# Altium PCB PCB3.PcbDoc (part 1 of 2)
Units mm, origin at the board's own origin, x right, y up, seen from the top; angles counter-clockwise.
Board outline 64.1 x 43.89 mm, 2 copper layers (Top Layer, Bottom Layer); 156 components, 17 nets, 540 pads, 360 vias.
Unrouted connection lines stored in the file: 91.
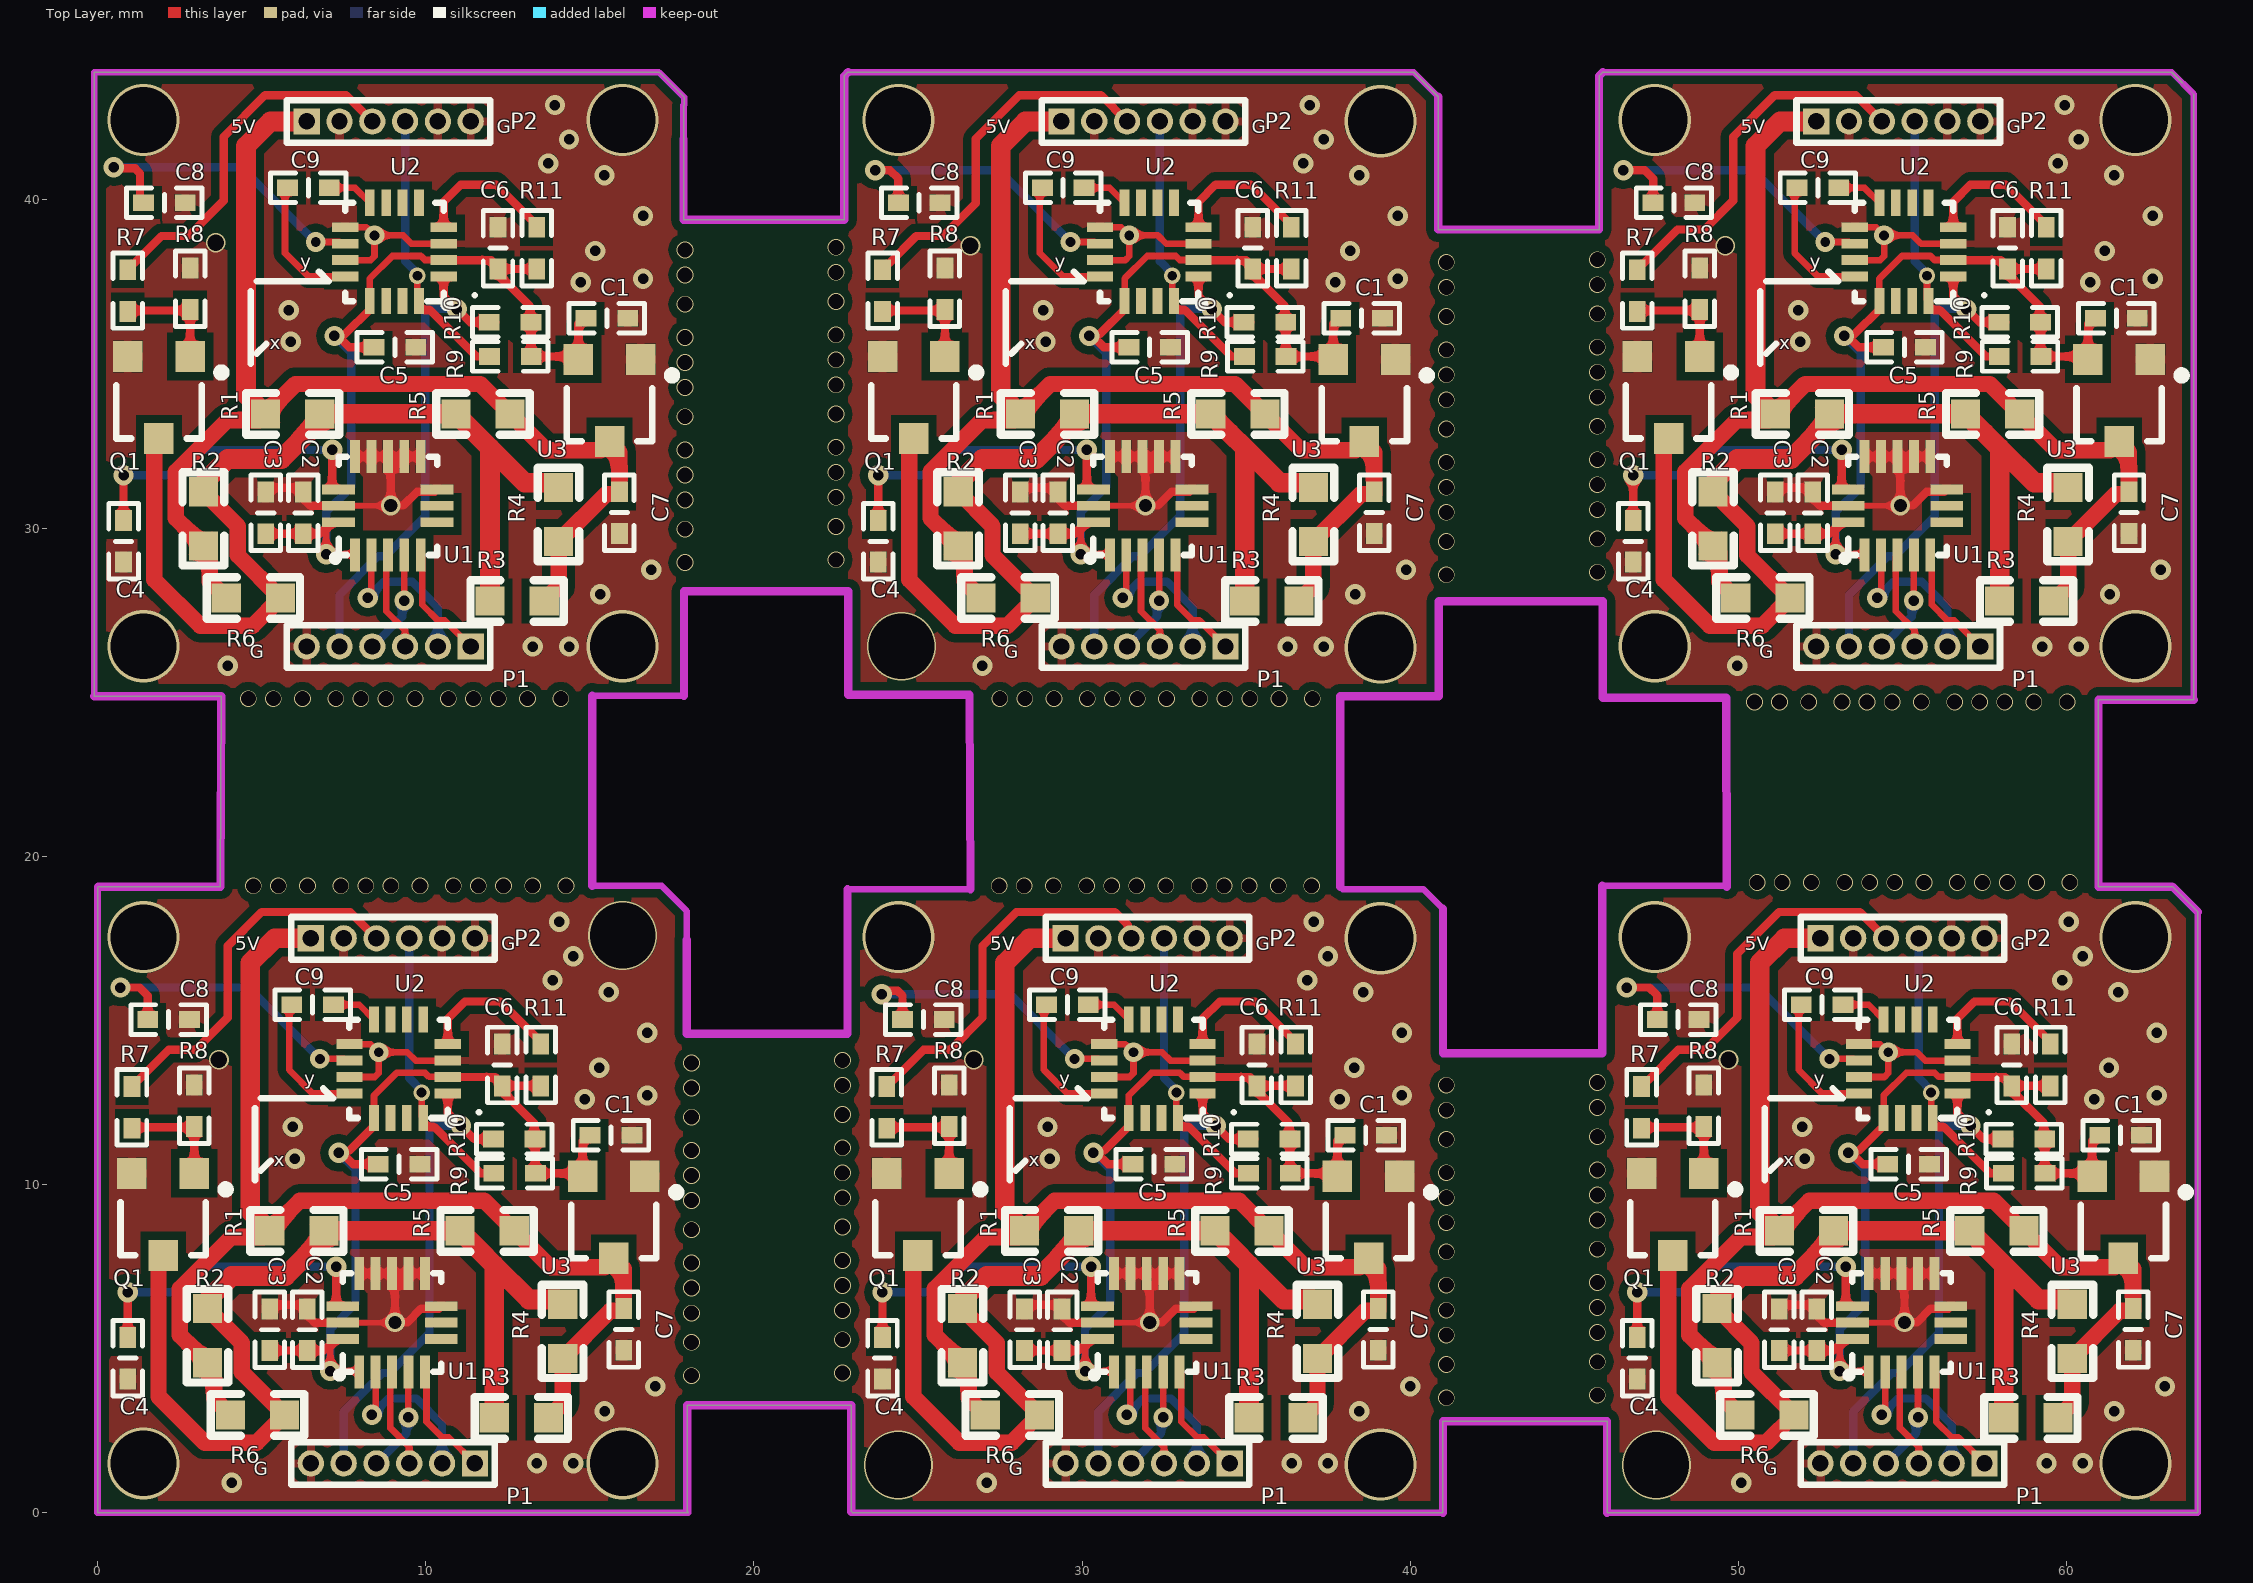
[diagram p0: Top Layer view]
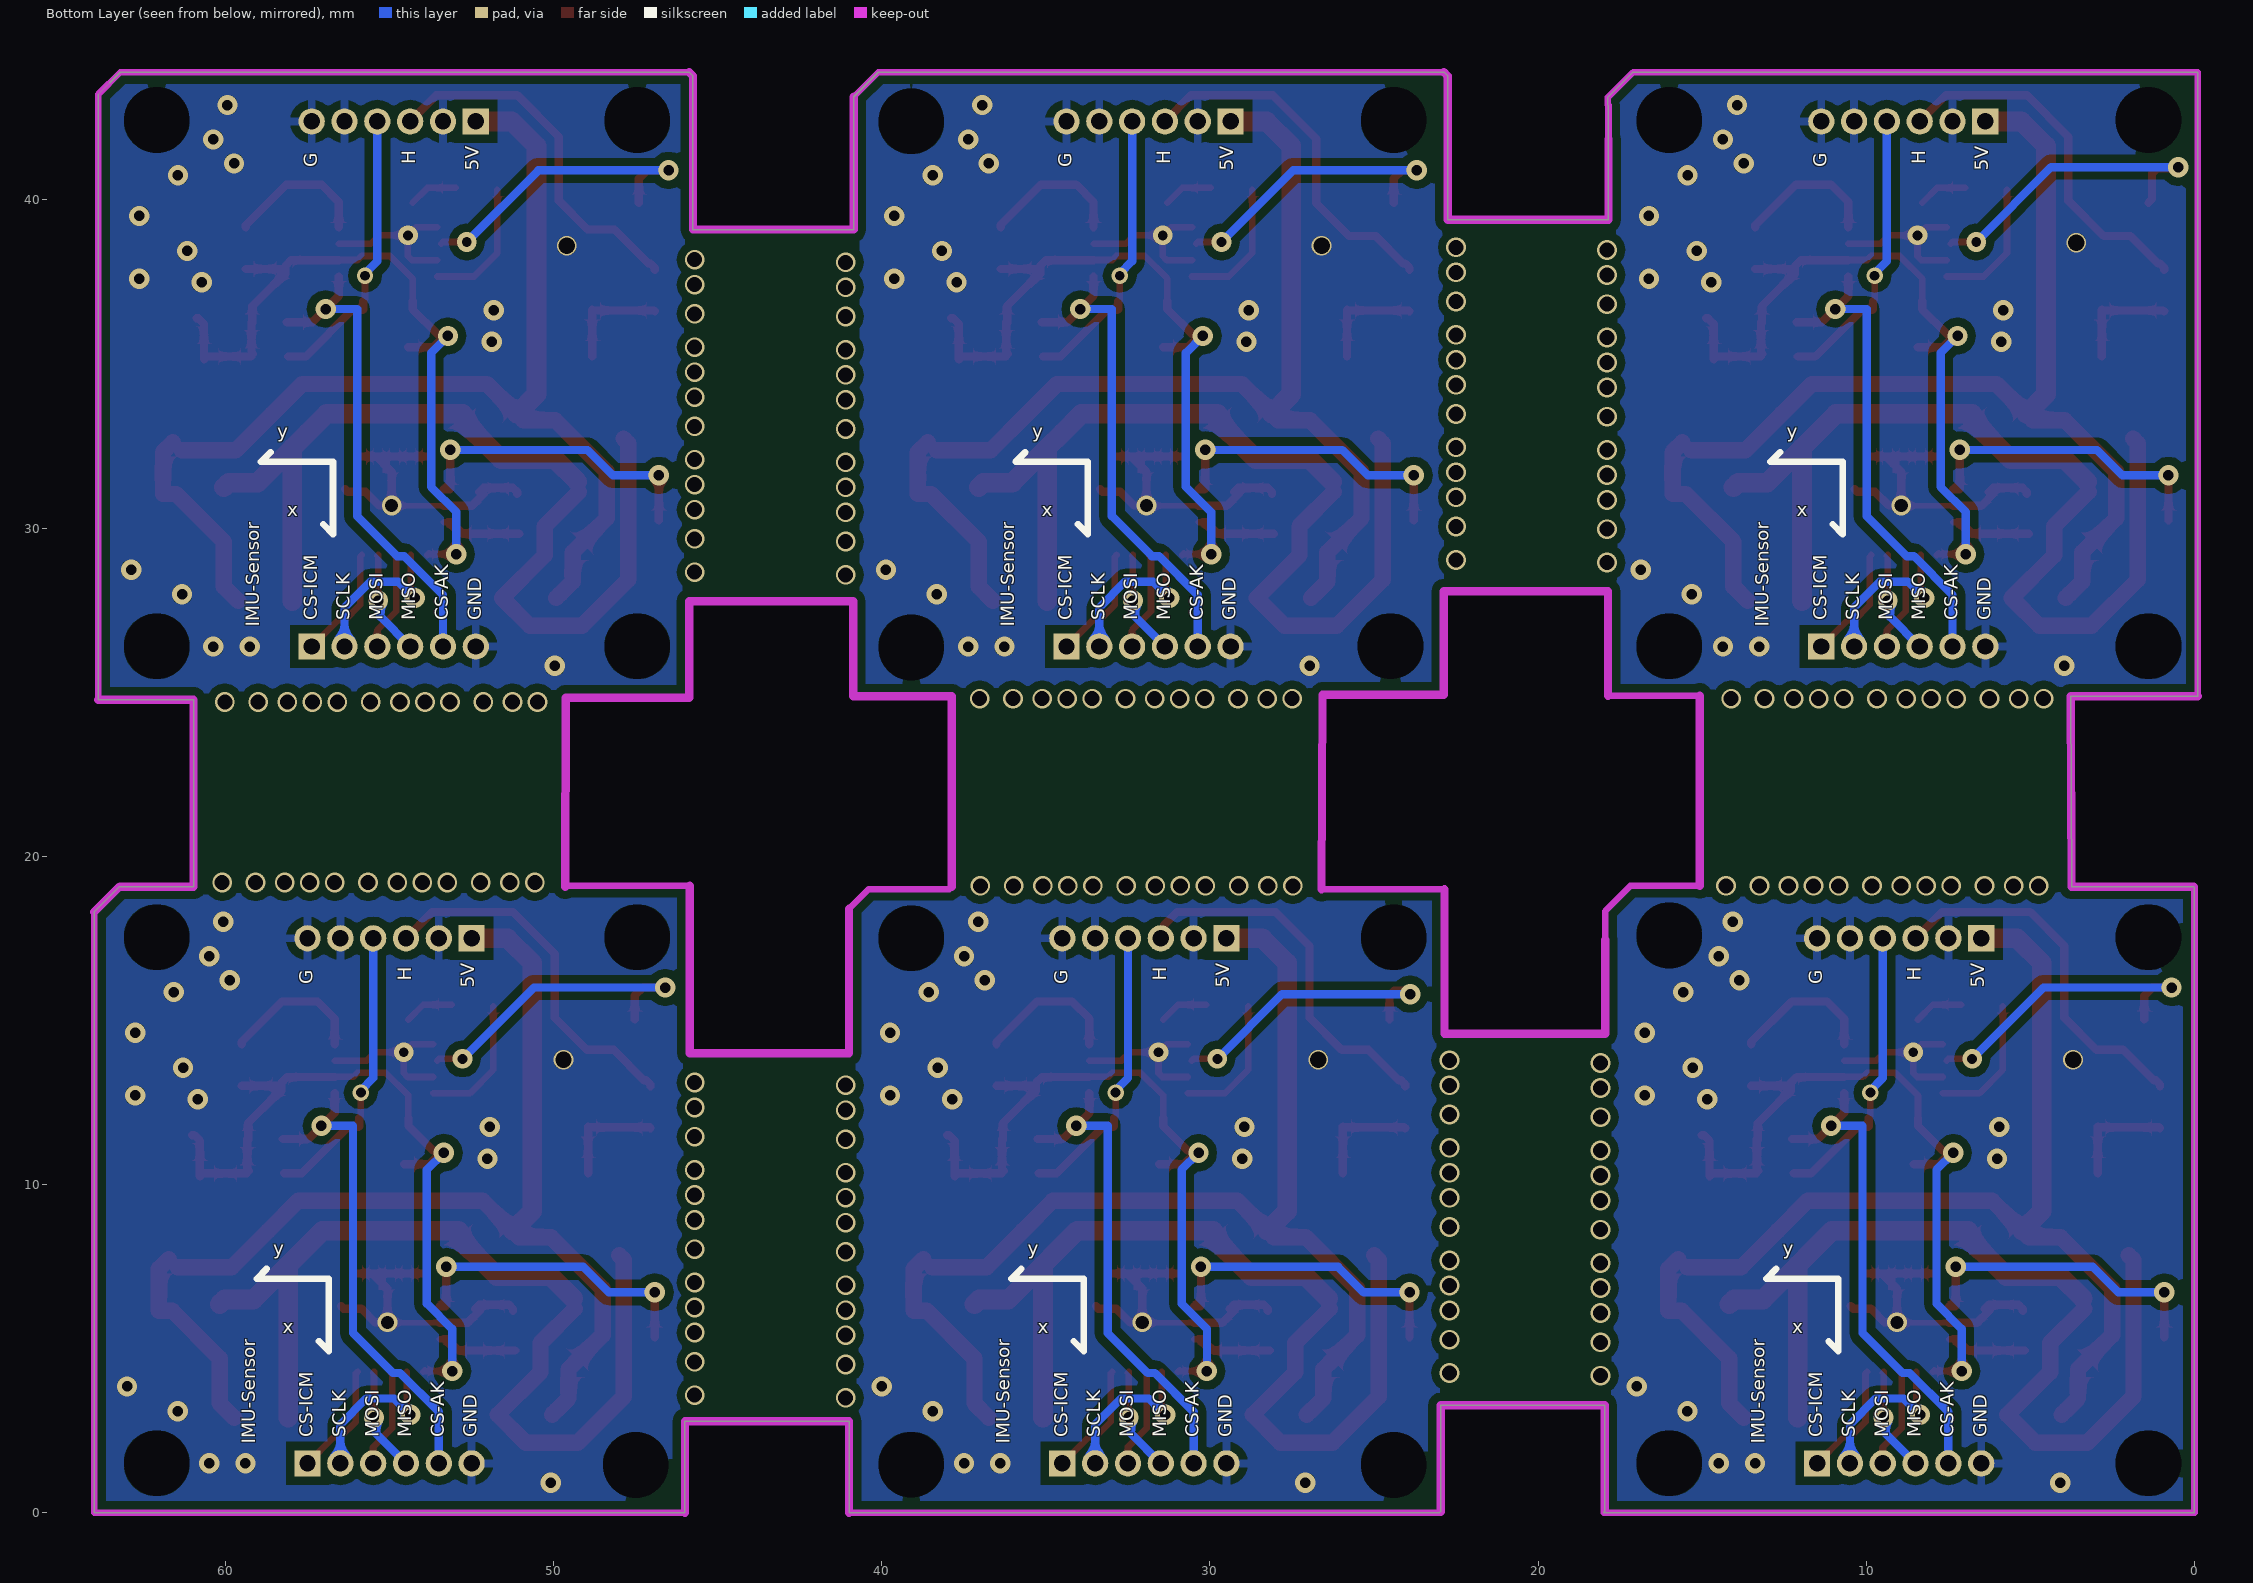
[diagram p1: Bottom Layer view, seen from below]
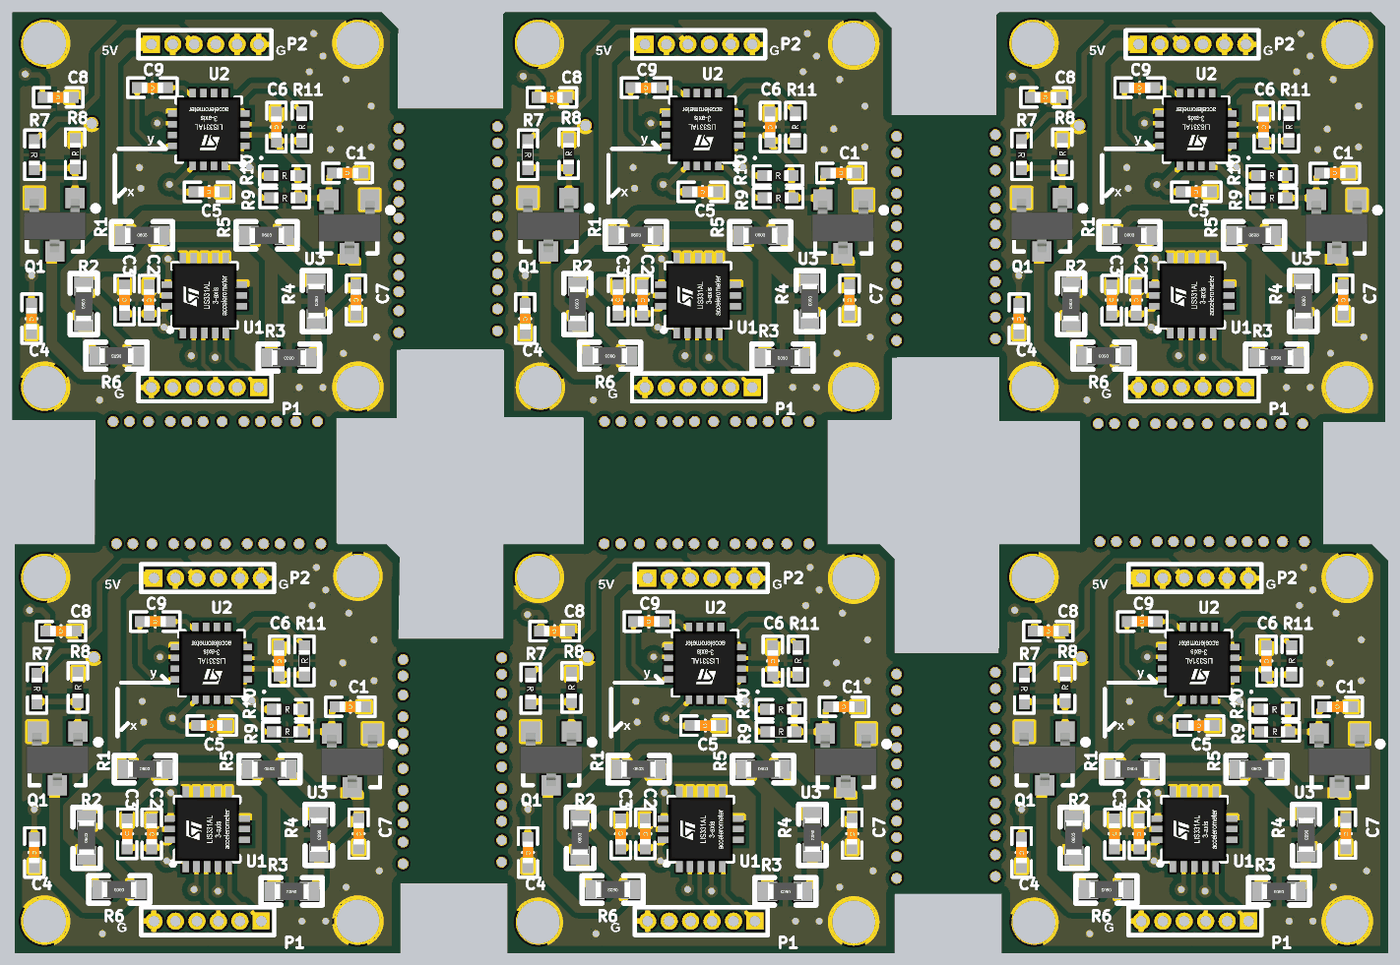
[diagram p3: 3D render of the assembled board from above, using the file's embedded part models]

## Layer stack, top to bottom
Top Solder: solder mask 0.0102, Solder Resist, Dk 3.5
Top Layer: signal copper 0.0356
Dielectric 1: dielectric 0.32, FR-4, Dk 4.8
Bottom Layer: signal copper 0.0356
Bottom Solder: solder mask 0.0102, Solder Resist, Dk 3.5

## Board outline
0,0 0,19.048 0.026,19.074 3.747,19.074 3.773,24.874 -0.1,24.874 -0.1,43.892 17.108,43.892 17.873,43.127 17.873,42.9 17.857,42.884 17.857,39.397 22.756,39.397 22.756,43.775 22.873,43.892 40.108,43.892 40.857,43.143 40.857,39.097 45.756,39.097 45.756,43.775 45.873,43.892 63.208,43.892 63.873,43.227 63.873,24.774 60.973,24.774 60.973,19.074 63.226,19.074 64,18.3 64,0 46,0 46,2.788 41,2.788 41,0 23,0 22.973,0.027 22.973,3.274 17.973,3.274 17.973,0.027 18,0
cut-out: 37.873,24.874 37.873,19.074 40.326,19.074 41,18.4 41,14 41.2,14 45.856,14 45.856,19.1 45.882,19.074 49.651,19.074 49.651,24.817 49.635,24.833 45.873,24.833 45.873,27.774 40.873,27.774 40.873,24.921 40.826,24.874
cut-out: 17.883,14.671 22.782,14.671 22.782,19.074 26.526,19.074 26.526,24.973 26.498,25.001 22.799,25.001 22.799,28.148 17.799,28.148 17.799,24.966 14.999,24.966 14.999,19.148 15.073,19.074 17.326,19.074 17.939,18.461

## Design rules (kind name [scope] priority, off if disabled: settings)
Clearance [All] p1: gap=0.254 ignorepadtopadclearanceinfootprint=FALSE except(0: Arc-Hole Track-Hole SMDPad-Hole THPad-Hole Via-Hole Fill-Hole Poly-Hole Region-Hole Text-Hole)
PolygonConnect [IsPad vs IsPad] p1: connectstyle=Relief reliefconductorwidth=0.254 reliefentries=4 polygonreliefangle="90 Angle" airgapwidth=0.254
RoutingVias [All] p1: holewidth=0.711 width=1.27 viastyle="Through Hole" minholewidth=0.711 minwidth=1.27 maxholewidth=0.711 maxwidth=1.27
SolderMaskExpansion [All] p1: expansion=0.102 istentingtop=FALSE
Width [All] p1: maxlimit=0.254 minlimit=0.254 preferedwidth=0.254
30 further rules are at their usual default settings.

## Components (designator, comment, footprint, x,y, rotation, side; value= is the part's Value field where it differs from the comment)
C1 "100nF" 0402C 61.648,11.5 r180 top value=100pF
C1 "100nF" 0402C 38.648,11.5 r180 top value=100pF
C1 "100nF" 0402C 15.648,11.5 r180 top value=100pF
C1 "100nF" 0402C 61.521,36.392 r180 top value=100pF
C1 "100nF" 0402C 38.521,36.392 r180 top value=100pF
C1 "100nF" 0402C 15.521,36.392 r180 top value=100pF
C2 "100nF" 0402C 52.393,5.573 r270 top value=100pF
C2 "100nF" 0402C 29.393,5.573 r270 top value=100pF
C2 "100nF" 0402C 6.393,5.573 r270 top value=100pF
C2 "100nF" 0402C 52.266,30.465 r270 top value=100pF
C2 "100nF" 0402C 29.266,30.465 r270 top value=100pF
C2 "100nF" 0402C 6.266,30.465 r270 top value=100pF
C3 "2.2uF" 0402C 51.25,5.573 r90 top value=100pF
C3 "2.2uF" 0402C 28.25,5.573 r90 top value=100pF
C3 "2.2uF" 0402C 5.25,5.573 r90 top value=100pF
C3 "2.2uF" 0402C 51.123,30.465 r90 top value=100pF
C3 "2.2uF" 0402C 28.123,30.465 r90 top value=100pF
C3 "2.2uF" 0402C 5.123,30.465 r90 top value=100pF
C4 "100nF" 0402C 46.92,4.706 r270 top value=100pF
C4 "100nF" 0402C 23.92,4.706 r270 top value=100pF
C4 "100nF" 0402C 0.92,4.706 r270 top value=100pF
C4 "100nF" 0402C 46.793,29.598 r270 top value=100pF
C4 "100nF" 0402C 23.793,29.598 r270 top value=100pF
C4 "100nF" 0402C 0.793,29.598 r270 top value=100pF
C5 "100nF" 0402C 55.19,10.62 r180 top value=100pF
C5 "100nF" 0402C 32.19,10.62 r180 top value=100pF
C5 "100nF" 0402C 9.19,10.62 r180 top value=100pF
C5 "100nF" 0402C 55.063,35.512 r180 top value=100pF
C5 "100nF" 0402C 32.063,35.512 r180 top value=100pF
C5 "100nF" 0402C 9.063,35.512 r180 top value=100pF
C6 "100nF" 0402C 58.331,13.64 r270 top value=100pF
C6 "100nF" 0402C 35.331,13.64 r270 top value=100pF
C6 "100nF" 0402C 12.331,13.64 r270 top value=100pF
C6 "100nF" 0402C 58.204,38.532 r270 top value=100pF
C6 "100nF" 0402C 35.204,38.532 r270 top value=100pF
C6 "100nF" 0402C 12.204,38.532 r270 top value=100pF
C7 "2.2uF" 0402C 62.031,5.58 r270 top value=100pF
C7 "2.2uF" 0402C 39.031,5.58 r270 top value=100pF
C7 "2.2uF" 0402C 16.031,5.58 r270 top value=100pF
C7 "2.2uF" 0402C 61.904,30.472 r270 top value=100pF
C7 "2.2uF" 0402C 38.904,30.472 r270 top value=100pF
C7 "2.2uF" 0402C 15.904,30.472 r270 top value=100pF
C8 "4.7uF" 0402C 48.165,15.025 r180 top value=100pF
C8 "4.7uF" 0402C 25.165,15.025 r180 top value=100pF
C8 "4.7uF" 0402C 2.165,15.025 r180 top value=100pF
C8 "4.7uF" 0402C 48.038,39.917 r180 top value=100pF
C8 "4.7uF" 0402C 25.038,39.917 r180 top value=100pF
C8 "4.7uF" 0402C 2.038,39.917 r180 top value=100pF
C9 "220nF" 0402C 52.553,15.475 r180 top value=100pF
C9 "220nF" 0402C 29.553,15.475 r180 top value=100pF
C9 "220nF" 0402C 6.553,15.475 r180 top value=100pF
C9 "220nF" 0402C 52.426,40.367 r180 top value=100pF
C9 "220nF" 0402C 29.426,40.367 r180 top value=100pF
C9 "220nF" 0402C 6.426,40.367 r180 top value=100pF
P1 "Header 6" "HEADER 6x1 _ 1.0mm" 57.5,1.5 r180 top
P1 "Header 6" "HEADER 6x1 _ 1.0mm" 34.5,1.5 r180 top
P1 "Header 6" "HEADER 6x1 _ 1.0mm" 11.5,1.5 r180 top
P1 "Header 6" "HEADER 6x1 _ 1.0mm" 57.373,26.392 r180 top
P1 "Header 6" "HEADER 6x1 _ 1.0mm" 34.373,26.392 r180 top
P1 "Header 6" "HEADER 6x1 _ 1.0mm" 11.373,26.392 r180 top
P2 "Header 6" "HEADER 6x1 _ 1.0mm" 52.5,17.5 r0 top
P2 "Header 6" "HEADER 6x1 _ 1.0mm" 29.5,17.5 r0 top
P2 "Header 6" "HEADER 6x1 _ 1.0mm" 6.5,17.5 r0 top
P2 "Header 6" "HEADER 6x1 _ 1.0mm" 52.373,42.392 r0 top
P2 "Header 6" "HEADER 6x1 _ 1.0mm" 29.373,42.392 r0 top
P2 "Header 6" "HEADER 6x1 _ 1.0mm" 6.373,42.392 r0 top
Q1 "NMOS" SOT-23-3 48,9.088 r180 top
Q1 "NMOS" SOT-23-3 25,9.088 r180 top
Q1 "NMOS" SOT-23-3 2,9.088 r180 top
Q1 "NMOS" SOT-23-3 47.873,33.98 r180 top
Q1 "NMOS" SOT-23-3 24.873,33.98 r180 top
Q1 "NMOS" SOT-23-3 1.873,33.98 r180 top
R1 "150R" 0603R 52.075,8.588 r0 top value=1K
R1 "150R" 0603R 29.075,8.588 r0 top value=1K
R1 "150R" 0603R 6.075,8.588 r0 top value=1K
R1 "150R" 0603R 51.948,33.48 r0 top value=1K
R1 "150R" 0603R 28.948,33.48 r0 top value=1K
R1 "150R" 0603R 5.948,33.48 r0 top value=1K
R2 "150R" 0603R 49.354,5.39 r90 top value=1K
R2 "150R" 0603R 26.354,5.39 r90 top value=1K
R2 "150R" 0603R 3.354,5.39 r90 top value=1K
R2 "150R" 0603R 49.227,30.282 r90 top value=1K
R2 "150R" 0603R 26.227,30.282 r90 top value=1K
R2 "150R" 0603R 3.227,30.282 r90 top value=1K
R3 "150R" 0603R 58.914,2.889 r180 top value=1K
R3 "150R" 0603R 35.914,2.889 r180 top value=1K
R3 "150R" 0603R 12.914,2.889 r180 top value=1K
R3 "150R" 0603R 58.787,27.781 r180 top value=1K
R3 "150R" 0603R 35.787,27.781 r180 top value=1K
R3 "150R" 0603R 12.787,27.781 r180 top value=1K
R4 "150R" 0603R 60.177,5.524 r270 top value=1K
R4 "150R" 0603R 37.177,5.524 r270 top value=1K
R4 "150R" 0603R 14.177,5.524 r270 top value=1K
R4 "150R" 0603R 60.05,30.416 r270 top value=1K
R4 "150R" 0603R 37.05,30.416 r270 top value=1K
R4 "150R" 0603R 14.05,30.416 r270 top value=1K
R5 "150R" 0603R 57.875,8.588 r0 top value=1K
R5 "150R" 0603R 34.875,8.588 r0 top value=1K
R5 "150R" 0603R 11.875,8.588 r0 top value=1K
R5 "150R" 0603R 57.748,33.48 r0 top value=1K
R5 "150R" 0603R 34.748,33.48 r0 top value=1K
R5 "150R" 0603R 11.748,33.48 r0 top value=1K
R6 "150R" 0603R 50.874,2.979 r180 top value=1K
R6 "150R" 0603R 27.874,2.979 r180 top value=1K
R6 "150R" 0603R 4.874,2.979 r180 top value=1K
R6 "150R" 0603R 50.747,27.871 r180 top value=1K
R6 "150R" 0603R 27.747,27.871 r180 top value=1K
R6 "150R" 0603R 4.747,27.871 r180 top value=1K
R7 "1k" 0402R 47.05,12.347 r270 top value=1K
R7 "1k" 0402R 24.05,12.347 r270 top value=1K
R7 "1k" 0402R 1.05,12.347 r270 top value=1K
R7 "1k" 0402R 46.923,37.239 r270 top value=1K
R7 "1k" 0402R 23.923,37.239 r270 top value=1K
R7 "1k" 0402R 0.923,37.239 r270 top value=1K
R8 "100k" 0402R 48.95,12.4 r90 top value=1K
R8 "100k" 0402R 25.95,12.4 r90 top value=1K
R8 "100k" 0402R 2.95,12.4 r90 top value=1K
R8 "100k" 0402R 48.823,37.292 r90 top value=1K
R8 "100k" 0402R 25.823,37.292 r90 top value=1K
R8 "100k" 0402R 2.823,37.292 r90 top value=1K
R9 "4.7k" 0402R 58.71,10.338 r0 top value=1K
R9 "4.7k" 0402R 35.71,10.338 r0 top value=1K
R9 "4.7k" 0402R 12.71,10.338 r0 top value=1K
R9 "4.7k" 0402R 58.583,35.23 r0 top value=1K
R9 "4.7k" 0402R 35.583,35.23 r0 top value=1K
R9 "4.7k" 0402R 12.583,35.23 r0 top value=1K
R10 "4.7k" 0402R 58.701,11.383 r0 top value=1K
R10 "4.7k" 0402R 35.701,11.383 r0 top value=1K
R10 "4.7k" 0402R 12.701,11.383 r0 top value=1K
R10 "4.7k" 0402R 58.574,36.275 r0 top value=1K
R10 "4.7k" 0402R 35.574,36.275 r0 top value=1K
R10 "4.7k" 0402R 12.574,36.275 r0 top value=1K
R11 "1k" 0402R 59.508,13.64 r90 top value=1K
R11 "1k" 0402R 36.508,13.64 r90 top value=1K
R11 "1k" 0402R 13.508,13.64 r90 top value=1K
R11 "1k" 0402R 59.381,38.532 r90 top value=1K
R11 "1k" 0402R 36.381,38.532 r90 top value=1K
R11 "1k" 0402R 13.381,38.532 r90 top value=1K
U1 "ICM20602" LGA-16 54.975,5.788 r90 top
U1 "ICM20602" LGA-16 31.975,5.788 r90 top
U1 "ICM20602" LGA-16 8.975,5.788 r90 top
U1 "ICM20602" LGA-16 54.848,30.68 r90 top
U1 "ICM20602" LGA-16 31.848,30.68 r90 top
U1 "ICM20602" LGA-16 8.848,30.68 r90 top
U2 "IST8310" LGA16 55.175,13.525 r180 top
U2 "IST8310" LGA16 32.175,13.525 r180 top
U2 "IST8310" LGA16 9.175,13.525 r180 top
U2 "IST8310" LGA16 55.048,38.417 r180 top
U2 "IST8310" LGA16 32.048,38.417 r180 top
U2 "IST8310" LGA16 9.048,38.417 r180 top
U3 "LDO_SOT23-3" SOT-23-3 61.731,9 r180 top
U3 "LDO_SOT23-3" SOT-23-3 38.731,9 r180 top
U3 "LDO_SOT23-3" SOT-23-3 15.731,9 r180 top
U3 "LDO_SOT23-3" SOT-23-3 61.604,33.892 r180 top
U3 "LDO_SOT23-3" SOT-23-3 38.604,33.892 r180 top
U3 "LDO_SOT23-3" SOT-23-3 15.604,33.892 r180 top

## Footprints (in the part's own frame and the unit in brackets; to place one, negate y for a bottom-side part, rotate by r counter-clockwise, add the part's x,y. Pads: shape width x height; smd on the part's side, far side on the other; paste and mask are expansions set on the pad)
0402C [mil]
  rect 25x20 smd: 1(-25,0) 2(25,0)
  silkscreen extent -45,-18 45,18, body extent -20,-10 20,10, height 19
0402R [mil]
  rect 25x20 smd: 1(-25,0) 2(25,0)
  silkscreen extent -45,-18 45,18, body extent -19,-10 20,10, height 14
0603R [mil] "10mil丝印"
  rect 35x35 smd: 1(-32.5,0) 2(32.5,0)
  silkscreen extent -56,-25 56,25, body extent -31,-16 32,16, height 16
"HEADER 6x1 _ 1.0mm" [mm] "1.0mm 排母"
  rect 0.8x0.8 hole 0.5: 1(0,0)
  round 0.8 hole 0.5: 2(1,0) 3(2,0) 4(3,0) 5(4,0) 6(5,0)
  silkscreen extent -0.6,-0.65 5.6,0.65
LGA16 [mm] "IST8310"
  rect 0.8x0.3 smd: 1(-1.5,0.75) 2(-1.5,0.25) 3(-1.5,-0.25) 4(-1.5,-0.75) 9(1.5,-0.75) 10(1.5,-0.25) 11(1.5,0.25) 12(1.5,0.75)
  rect 0.3x0.8 smd: 5(-0.75,-1.5) 6(-0.25,-1.5) 7(0.25,-1.5) 8(0.75,-1.5) 13(0.75,1.5) 14(0.25,1.5) 15(-0.25,1.5) 16(-0.75,1.5)
  silkscreen extent -1.7,-1.5 1.5,1.7, body extent -1.5,-1.5 1.5,1.5, height 1.01
LGA-16 [mm]
  rect 1x0.3 smd: 1(-1.5,1) 2(-1.5,0.5) 3(-1.5,0) 4(-1.5,-0.5) 5(-1.5,-1) 9(1.5,-1) 10(1.5,-0.5) 11(1.5,0) 12(1.5,0.5) 13(1.5,1)
  rect 0.3x1 smd: 6(-0.5,-1.5) 7(0,-1.5) 8(0.5,-1.5) 14(0.5,1.5) 15(0,1.5) 16(-0.5,1.5)
  silkscreen extent -1.7,-1.5 1.5,1.7, body extent -1.5,-1.5 1.5,1.5, height 1.01
SOT-23-3 [mm]
  rect 0.9x0.95 smd: 1(-0.95,-1.25) 2(0.95,-1.25) 3(0,1.25)
  silkscreen extent -2.03,-0.89 1.3,1.25, body extent -1.46,-1.19 1.46,1.28, height 1

## Part data
C1 C1 C1 C1 C1 C1 C2 C2 C2 C2 C2 C2 C3 C3 C3 C3 C3 C3 C4 C4 C4 C4 C4 C4 C5 C5 C5 C5 C5 C5 C6 C6 C6 C6 C6 C6 C7 C7 C7 C7 C7 C7 C8 C8 C8 C8 C8 C8 C9 C9 C9 C9 C9 C9: library part Cap, "Capacitor", LatestRevisionDate=17-Jul-2002, LatestRevisionNote="Re-released for DXP Platform.", PackageDescription="Radial Cap, Thru-Hole; 2 Leads; 0.3 in Pin Spacing", PackageReference=RAD-0.3, Published=8-Jun-2000, Publisher="Altium Limited"
P1 P1 P1 P1 P1 P1 P2 P2 P2 P2 P2 P2: "Header, 5-Pin", LatestRevisionDate=17-Jul-2002, LatestRevisionNote="Re-released for DXP Platform.", Publisher="Altium Limited"
Q1 Q1 Q1 Q1 Q1 Q1: library part NMOS(SOT23), "N-Channel Power MOSFET", ComponentLink1Description="Manufacturer Link", ComponentLink1URL=http://www.irf.com/, DatasheetVersion=PD-9.814, LatestRevisionDate=17-Jul-2002, LatestRevisionNote="Re-released for DXP Platform.", Note="Pin 2 is electrically connected to pin 4.", PackageDescription="TO, Thru-Hole, Vertical, Heatsink Mounted; 3 In-Line Leads; Pitch 2.54 mm", PackageReference=TO-220AB, PackageVersion=Feb-1997, Published=8-Jun-2000, Publisher="Altium Limited"
R1 R1 R1 R1 R1 R1 R2 R2 R2 R2 R2 R2 R3 R3 R3 R3 R3 R3 R4 R4 R4 R4 R4 R4 R5 R5 R5 R5 R5 R5 R6 R6 R6 R6 R6 R6 R7 R7 R7 R7 R7 R7 R8 R8 R8 R8 R8 R8 R9 R9 R9 R9 R9 R9 R10 R10 R10 R10 R10 R10 R11 R11 R11 R11 R11 R11: library part Res1, "Resistor", LatestRevisionDate=17-Jul-2002, LatestRevisionNote="Re-released for DXP Platform.", PackageDescription="Axial Device, Thru-Hole; 2 Leads; 0.3 in Pin Spacing", PackageReference=AXIAL-0.3, Published=8-Jun-2000, Publisher="Altium Limited"

## Via types
v1: diameter 0.508/0.6 (per signal layer), hole 0.457, Top Layer to Bottom Layer, 168 vias
v2: diameter 0.62, hole 0.32, Top Layer to Bottom Layer, 132 vias
v3: diameter 2.2/0.6 (per signal layer), hole 2, Top Layer to Bottom Layer, 20 vias
v4: diameter 0.6, hole 0.3, Top Layer to Bottom Layer, 12 vias
v5: diameter 0.6/0.6 (per signal layer), hole 0.5, Top Layer to Bottom Layer, 6 vias
v6: diameter 0.5, hole 0.3, Top Layer to Bottom Layer, 6 vias
v7: diameter 0.6, hole 0.32, Top Layer to Bottom Layer, 6 vias
v8: diameter 0.6, hole 0.4, Top Layer to Bottom Layer, 6 vias
v9: diameter 2.1/0.6 (per signal layer), hole 2, Top Layer to Bottom Layer, 4 vias

## Nets (pads, with @x,y where several pads share a name; then routed paths per layer and width w, separated by ;. In a path a pad name is that pad's centre, name@x,y a point inside that pad or via, vN(x,y) a via of type N, cw(c..) or ccw(c..) an arc to the next point about the centre after c; other vN are vias at no path point)
3V3: C1.2 C2.2 C3.1 C5.2 C6.2 R9.2 R10.2 R11.1 U1.1 U1.16 U2.2 U2.13 U3.2 | length 159
  Top Layer w0.2: U1.16@7.348,30.18 7.221,30.18 6.967,29.926 v2(6.967,29.205) 7.773,29.205 7.798,29.23 U1.1@7.848,29.18 ; U1.16@7.475,5.288 7.348,5.288 7.094,5.034 v2(7.094,4.313) 7.9,4.313 7.925,4.338 U1.1@7.975,4.288 ; U2.13@8.298,36.917 8.298,37.603 8.987,38.292 9.855,38.292 9.977,38.17 10.545,38.17 U2.2@10.548,38.167 ; U2.13@8.425,12.025 8.425,12.711 9.114,13.4 9.982,13.4 10.104,13.278 10.672,13.278 U2.2@10.675,13.275 ; U1.16@30.348,30.18 30.221,30.18 29.967,29.926 v2(29.967,29.205) 30.773,29.205 30.798,29.23 U1.1@30.848,29.18 ; U1.16@30.475,5.288 30.348,5.288 30.094,5.034 v2(30.094,4.313) 30.9,4.313 30.925,4.338 U1.1@30.975,4.288 ; U2.13@31.298,36.917 31.298,37.603 31.987,38.292 32.855,38.292 32.977,38.17 33.545,38.17 U2.2@33.548,38.167 ; U2.13@31.425,12.025 31.425,12.711 32.114,13.4 32.982,13.4 33.104,13.278 33.672,13.278 U2.2@33.675,13.275 ; U1.16@53.348,30.18 53.221,30.18 52.967,29.926 v2(52.967,29.205) 53.773,29.205 53.798,29.23 U1.1@53.848,29.18 ; U1.16@53.475,5.288 53.348,5.288 53.094,5.034 v2(53.094,4.313) 53.9,4.313 53.925,4.338 U1.1@53.975,4.288 ; U2.13@54.298,36.917 54.298,37.603 54.987,38.292 55.855,38.292 55.977,38.17 56.545,38.17 U2.2@56.548,38.167 ; U2.13@54.425,12.025 54.425,12.711 55.114,13.4 55.982,13.4 56.104,13.278 56.672,13.278 U2.2@56.675,13.275
  Top Layer w0.254: C3.1@5.048,29.83 6.774,29.83 6.975,30.032 6.975,30.157 6.998,30.18 U1.16@7.221,30.18 ; C3.1@5.175,4.938 6.901,4.938 7.102,5.14 7.102,5.265 7.125,5.288 U1.16@7.348,5.288 ; v2(7.221,35.855) 7.32,35.855 7.663,35.512 C5.2@8.428,35.512 ; v2(7.348,10.963) 7.447,10.963 7.79,10.62 C5.2@8.555,10.62 ; 7.556,35.925 8.298,36.667 U2.13@8.298,36.917 ; 7.683,11.033 8.425,11.775 U2.13@8.425,12.025 ; U2.2@10.548,38.167 11.997,38.167 12.173,37.991 12.173,37.743 12.3,37.616 12.326,37.616 13.181,36.762 R10.2@13.181,36.249 ; U2.2@10.675,13.275 12.124,13.275 12.3,13.099 12.3,12.851 12.427,12.724 12.453,12.724 13.308,11.87 R10.2@13.308,11.357 ; C6.2@12.204,37.897 R11.1@13.381,37.897 ; C6.2@12.331,13.005 R11.1@13.508,13.005 ; R9.2@13.162,35.311 13.209,35.357 R10.2@13.209,36.275 ; R9.2@13.218,35.23 14.566,35.23 U3.2@14.654,35.142 14.654,36.224 14.822,36.392 C1.2@14.886,36.392 ; R9.2@13.289,10.419 13.336,10.465 R10.2@13.336,11.383 ; R9.2@13.345,10.338 14.693,10.338 U3.2@14.781,10.25 14.781,11.332 14.949,11.5 C1.2@15.013,11.5 ; C3.1@28.048,29.83 29.774,29.83 29.975,30.032 29.975,30.157 29.998,30.18 U1.16@30.221,30.18 ; C3.1@28.175,4.938 29.901,4.938 30.102,5.14 30.102,5.265 30.125,5.288 U1.16@30.348,5.288 ; v2(30.221,35.855) 30.32,35.855 30.663,35.512 C5.2@31.428,35.512 ; v2(30.348,10.963) 30.447,10.963 30.79,10.62 C5.2@31.555,10.62 ; 30.556,35.925 31.298,36.667 U2.13@31.298,36.917 ; 30.683,11.033 31.425,11.775 U2.13@31.425,12.025 ; U2.2@33.548,38.167 34.997,38.167 35.173,37.991 35.173,37.743 35.3,37.616 35.326,37.616 36.181,36.762 R10.2@36.181,36.249 ; U2.2@33.675,13.275 35.124,13.275 35.3,13.099 35.3,12.851 35.427,12.724 35.453,12.724 36.308,11.87 R10.2@36.308,11.357 ; C6.2@35.204,37.897 R11.1@36.381,37.897 ; C6.2@35.331,13.005 R11.1@36.508,13.005 ; R9.2@36.162,35.311 36.209,35.357 R10.2@36.209,36.275 ; R9.2@36.218,35.23 37.566,35.23 U3.2@37.654,35.142 37.654,36.224 37.822,36.392 C1.2@37.886,36.392 ; R9.2@36.289,10.419 36.336,10.465 R10.2@36.336,11.383 ; R9.2@36.345,10.338 37.693,10.338 U3.2@37.781,10.25 37.781,11.332 37.949,11.5 C1.2@38.013,11.5 ; C3.1@51.048,29.83 52.774,29.83 52.975,30.032 52.975,30.157 52.998,30.18 U1.16@53.221,30.18 ; C3.1@51.175,4.938 52.901,4.938 53.102,5.14 53.102,5.265 53.125,5.288 U1.16@53.348,5.288 ; v2(53.221,35.855) 53.32,35.855 53.663,35.512 C5.2@54.428,35.512 ; v2(53.348,10.963) 53.447,10.963 53.79,10.62 C5.2@54.555,10.62 ; 53.556,35.925 54.298,36.667 U2.13@54.298,36.917 ; 53.683,11.033 54.425,11.775 U2.13@54.425,12.025 ; U2.2@56.548,38.167 57.997,38.167 58.173,37.991 58.173,37.743 58.3,37.616 58.326,37.616 59.181,36.762 R10.2@59.181,36.249 ; U2.2@56.675,13.275 58.124,13.275 58.3,13.099 58.3,12.851 58.427,12.724 58.453,12.724 59.308,11.87 R10.2@59.308,11.357 ; C6.2@58.204,37.897 R11.1@59.381,37.897 ; C6.2@58.331,13.005 R11.1@59.508,13.005 ; R9.2@59.162,35.311 59.209,35.357 R10.2@59.209,36.275 ; R9.2@59.218,35.23 60.566,35.23 U3.2@60.654,35.142 60.654,36.224 60.822,36.392 C1.2@60.886,36.392 ; R9.2@59.289,10.419 59.336,10.465 R10.2@59.336,11.383 ; R9.2@59.345,10.338 60.693,10.338 U3.2@60.781,10.25 60.781,11.332 60.949,11.5 C1.2@61.013,11.5
  Bottom Layer w0.254: v2(6.967,29.205) 6.967,30.491 7.735,31.26 7.735,35.341 v2(7.221,35.855) ; v2(7.094,4.313) 7.094,5.599 7.862,6.368 7.862,10.449 v2(7.348,10.963) ; v2(29.967,29.205) 29.967,30.491 30.735,31.26 30.735,35.341 v2(30.221,35.855) ; v2(30.094,4.313) 30.094,5.599 30.862,6.368 30.862,10.449 v2(30.348,10.963) ; v2(52.967,29.205) 52.967,30.491 53.735,31.26 53.735,35.341 v2(53.221,35.855) ; v2(53.094,4.313) 53.094,5.599 53.862,6.368 53.862,10.449 v2(53.348,10.963)
5V: C7.1 P2.1 R1.1 R2.1 R3.1 R4.2 R5.2 R6.2 U3.3 | length 216.6
  Top Layer w0.5: R6.2@3.922,27.871 3.922,27.879 3.795,28.006 3.787,28.006 3.421,28.371 3.421,29.262 3.098,29.586 2.382,30.301 2.382,31.717 3.951,33.286 4.928,33.286 R1.1@5.123,33.48 6.034,34.392 11.662,34.392 R5.2@12.574,33.48 13.681,32.373 U3.3@15.335,32.373 ; R6.2@4.049,2.979 4.049,2.987 3.922,3.114 3.914,3.114 3.548,3.479 3.548,4.37 3.225,4.694 2.509,5.409 2.509,6.825 4.078,8.394 5.055,8.394 R1.1@5.25,8.588 6.161,9.5 11.789,9.5 R5.2@12.701,8.588 13.808,7.481 U3.3@15.462,7.481 ; R3.1@13.612,27.781 14.05,28.219 R4.2@14.05,29.59 15.499,31.04 15.9,31.04 15.904,31.044 C7.1@15.904,31.107 15.904,32.317 U3.3@15.604,32.617 ; R3.1@13.739,2.889 14.177,3.327 R4.2@14.177,4.698 15.626,6.148 16.027,6.148 16.031,6.152 C7.1@16.031,6.215 16.031,7.425 U3.3@15.731,7.725 ; R6.2@26.922,27.871 26.922,27.879 26.795,28.006 26.787,28.006 26.421,28.371 26.421,29.262 26.098,29.586 25.382,30.301 25.382,31.717 26.951,33.286 27.928,33.286 R1.1@28.123,33.48 29.034,34.392 34.662,34.392 R5.2@35.574,33.48 36.681,32.373 U3.3@38.335,32.373 ; R6.2@27.049,2.979 27.049,2.987 26.922,3.114 26.914,3.114 26.548,3.479 26.548,4.37 26.225,4.694 25.509,5.409 25.509,6.825 27.078,8.394 28.055,8.394 R1.1@28.25,8.588 29.161,9.5 34.789,9.5 R5.2@35.701,8.588 36.808,7.481 U3.3@38.462,7.481 ; R3.1@36.612,27.781 37.05,28.219 R4.2@37.05,29.59 38.499,31.04 38.9,31.04 38.904,31.044 C7.1@38.904,31.107 38.904,32.317 U3.3@38.604,32.617 ; R3.1@36.739,2.889 37.177,3.327 R4.2@37.177,4.698 38.626,6.148 39.027,6.148 39.031,6.152 C7.1@39.031,6.215 39.031,7.425 U3.3@38.731,7.725 ; R6.2@49.922,27.871 49.922,27.879 49.795,28.006 49.787,28.006 49.421,28.371 49.421,29.262 49.098,29.586 48.382,30.301 48.382,31.717 49.951,33.286 50.928,33.286 R1.1@51.123,33.48 52.034,34.392 57.662,34.392 R5.2@58.574,33.48 59.681,32.373 U3.3@61.335,32.373 ; R6.2@50.049,2.979 50.049,2.987 49.922,3.114 49.914,3.114 49.548,3.479 49.548,4.37 49.225,4.694 48.509,5.409 48.509,6.825 50.078,8.394 51.055,8.394 R1.1@51.25,8.588 52.161,9.5 57.789,9.5 R5.2@58.701,8.588 59.808,7.481 U3.3@61.462,7.481 ; R3.1@59.612,27.781 60.05,28.219 R4.2@60.05,29.59 61.499,31.04 61.9,31.04 61.904,31.044 C7.1@61.904,31.107 61.904,32.317 U3.3@61.604,32.617 ; R3.1@59.739,2.889 60.177,3.327 R4.2@60.177,4.698 61.626,6.148 62.027,6.148 62.031,6.152 C7.1@62.031,6.215 62.031,7.425 U3.3@61.731,7.725
  Top Layer w0.6: R1.1@5.123,33.48 4.523,34.08 4.523,41.642 5.273,42.392 P2.1@6.373,42.392 ; R1.1@5.25,8.588 4.65,9.188 4.65,16.75 5.4,17.5 P2.1@6.5,17.5 ; R1.1@28.123,33.48 27.523,34.08 27.523,41.642 28.273,42.392 P2.1@29.373,42.392 ; R1.1@28.25,8.588 27.65,9.188 27.65,16.75 28.4,17.5 P2.1@29.5,17.5 ; R1.1@51.123,33.48 50.523,34.08 50.523,41.642 51.273,42.392 P2.1@52.373,42.392 ; R1.1@51.25,8.588 50.65,9.188 50.65,16.75 51.4,17.5 P2.1@52.5,17.5
GND: C1.1 C2.1 C3.2 C4.2 C5.1 C6.1 C7.2 C8.1 P1.6 P2.2 P2.5 P2.6 Q1.2 R8.2 U1.8 U1.9 U1.10 U1.11 U1.12 U1.13 U1.15 U2.3 U2.9 U2.11 U3.1 | length 86.1
  Top Layer w0.16: U1.15@7.348,30.68 8.926,30.68 v8(8.936,30.691) ; U1.15@7.475,5.788 9.053,5.788 v8(9.063,5.799) ; U1.15@30.348,30.68 31.926,30.68 v8(31.936,30.691) ; U1.15@30.475,5.788 32.053,5.788 v8(32.063,5.799) ; U1.15@53.348,30.68 54.926,30.68 v8(54.936,30.691) ; U1.15@53.475,5.788 55.053,5.788 v8(55.063,5.799)
  Top Layer w0.2: U2.11@7.548,38.167 8.324,38.167 8.441,38.284 v4(8.441,38.921) ; U2.9@7.548,39.167 8.195,39.167 v4(8.441,38.921) ; U2.11@7.675,13.275 8.451,13.275 8.568,13.392 v4(8.568,14.029) ; U2.9@7.675,14.275 8.322,14.275 v4(8.568,14.029) ; U2.3@10.548,38.667 9.568,38.667 9.314,38.921 v4(8.441,38.921) ; U2.3@10.675,13.775 9.695,13.775 9.441,14.029 v4(8.568,14.029) ; U2.11@30.548,38.167 31.324,38.167 31.441,38.284 v4(31.441,38.921) ; U2.9@30.548,39.167 31.195,39.167 v4(31.441,38.921) ; U2.11@30.675,13.275 31.451,13.275 31.568,13.392 v4(31.568,14.029) ; U2.9@30.675,14.275 31.322,14.275 v4(31.568,14.029) ; U2.3@33.548,38.667 32.568,38.667 32.314,38.921 v4(31.441,38.921) ; U2.3@33.675,13.775 32.695,13.775 32.441,14.029 v4(31.568,14.029) ; U2.11@53.548,38.167 54.324,38.167 54.441,38.284 v4(54.441,38.921) ; U2.9@53.548,39.167 54.195,39.167 v4(54.441,38.921) ; U2.11@53.675,13.275 54.451,13.275 54.568,13.392 v4(54.568,14.029) ; U2.9@53.675,14.275 54.322,14.275 v4(54.568,14.029) ; U2.3@56.548,38.667 55.568,38.667 55.314,38.921 v4(54.441,38.921) ; U2.3@56.675,13.775 55.695,13.775 55.441,14.029 v4(54.568,14.029)
  Top Layer w0.254: C3.2@5.11,31.038 5.11,31.1 5.237,31.227 6.139,31.227 C2.1@6.266,31.1 ; C3.2@5.237,6.146 5.237,6.208 5.364,6.335 6.266,6.335 C2.1@6.393,6.208 ; C2.1@6.137,31.038 6.495,30.68 U1.15@7.348,30.68 ; C2.1@6.264,6.146 6.622,5.788 U1.15@7.475,5.788 ; U1.13@7.848,32.18 U1.12@8.348,32.18 U1.11@8.848,32.18 U1.10@9.348,32.18 ; U1.13@7.975,7.288 U1.12@8.475,7.288 U1.11@8.975,7.288 U1.10@9.475,7.288 ; U1.9@9.848,32.18 U1.10@9.348,32.18 ; U1.9@9.975,7.288 U1.10@9.475,7.288 ; U1.8@10.348,31.18 10.275,31.107 9.733,31.107 9.317,30.691 v8(8.936,30.691) 8.936,31.719 9.373,32.155 U1.10@9.348,32.18 ; U1.8@10.475,6.288 10.402,6.215 9.86,6.215 9.444,5.799 v8(9.063,5.799) 9.063,6.827 9.5,7.263 U1.10@9.475,7.288 ; C3.2@28.11,31.038 28.11,31.1 28.237,31.227 29.139,31.227 C2.1@29.266,31.1 ; C3.2@28.237,6.146 28.237,6.208 28.364,6.335 29.266,6.335 C2.1@29.393,6.208 ; C2.1@29.137,31.038 29.495,30.68 U1.15@30.348,30.68 ; C2.1@29.264,6.146 29.622,5.788 U1.15@30.475,5.788 ; U1.13@30.848,32.18 U1.12@31.348,32.18 U1.11@31.848,32.18 U1.10@32.348,32.18 ; U1.13@30.975,7.288 U1.12@31.475,7.288 U1.11@31.975,7.288 U1.10@32.475,7.288 ; U1.9@32.848,32.18 U1.10@32.348,32.18 ; U1.9@32.975,7.288 U1.10@32.475,7.288 ; U1.8@33.348,31.18 33.275,31.107 32.733,31.107 32.317,30.691 v8(31.936,30.691) 31.936,31.719 32.373,32.155 U1.10@32.348,32.18 ; U1.8@33.475,6.288 33.402,6.215 32.86,6.215 32.444,5.799 v8(32.063,5.799) 32.063,6.827 32.5,7.263 U1.10@32.475,7.288 ; C3.2@51.11,31.038 51.11,31.1 51.237,31.227 52.139,31.227 C2.1@52.266,31.1 ; C3.2@51.237,6.146 51.237,6.208 51.364,6.335 52.266,6.335 C2.1@52.393,6.208 ; C2.1@52.137,31.038 52.495,30.68 U1.15@53.348,30.68 ; C2.1@52.264,6.146 52.622,5.788 U1.15@53.475,5.788 ; U1.13@53.848,32.18 U1.12@54.348,32.18 U1.11@54.848,32.18 U1.10@55.348,32.18 ; U1.13@53.975,7.288 U1.12@54.475,7.288 U1.11@54.975,7.288 U1.10@55.475,7.288 ; U1.9@55.848,32.18 U1.10@55.348,32.18 ; U1.9@55.975,7.288 U1.10@55.475,7.288 ; U1.8@56.348,31.18 56.275,31.107 55.733,31.107 55.317,30.691 v8(54.936,30.691) 54.936,31.719 55.373,32.155 U1.10@55.348,32.18 ; U1.8@56.475,6.288 56.402,6.215 55.86,6.215 55.444,5.799 v8(55.063,5.799) 55.063,6.827 55.5,7.263 U1.10@55.475,7.288
  other v2: 4.093,0.914 27.093,0.914 50.093,0.914 13.391,1.5 14.495,1.5 36.391,1.5 37.495,1.5 59.391,1.5 60.495,1.5 15.45,3.09 38.45,3.09 61.45,3.09 17,3.844 40,3.844 63,3.844 6.016,10.783 29.016,10.783 52.016,10.783 5.95,11.752 28.95,11.752 51.95,11.752 14.85,12.595 37.85,12.595 60.85,12.595 16.75,12.711 39.75,12.711 62.75,12.711 15.294,13.552 38.293,13.552 61.293,13.552 16.75,14.621 39.75,14.621 62.75,14.621 15.575,15.863 38.575,15.863 61.575,15.863 13.867,16.221 36.867,16.221 59.867,16.221 14.495,16.95 37.495,16.95 60.495,16.95 14.066,18 37.066,18 60.066,18 3.966,25.806 26.966,25.806 49.966,25.806 13.264,26.392 14.368,26.392 36.264,26.392 37.368,26.392 59.264,26.392 60.368,26.392 15.323,27.982 38.323,27.982 61.323,27.982 16.873,28.736 39.873,28.736 62.873,28.736 5.889,35.675 28.889,35.675 51.889,35.675 5.823,36.644 28.823,36.644 51.823,36.644 14.723,37.487 37.723,37.487 60.723,37.487 16.623,37.603 39.623,37.603 62.623,37.603 15.167,38.444 38.166,38.444 61.166,38.444 16.623,39.513 39.623,39.513 62.623,39.513 15.448,40.755 38.448,40.755 61.448,40.755 13.74,41.113 36.74,41.113 59.74,41.113 14.368,41.842 37.368,41.842 60.368,41.842 13.939,42.892 36.939,42.892 59.939,42.892
  other v3: 39.1,1.462 1.4,1.5 16,1.5 62.1,1.5 39.1,17.5 1.4,17.538 24.406,17.538 47.45,17.538 62.1,17.538 39.1,26.362 1.4,26.4 16,26.4 47.45,26.4 62.1,26.4 39.1,42.4 1.4,42.438 16,42.438 24.406,42.438 47.45,42.438 62.1,42.438
  other v5: 3.7,13.8 26.7,13.8 49.7,13.8 26.6,38.6 49.6,38.6 3.6,38.7
  other v9: 24.406,1.45 47.5,1.45 16,17.588 24.5,26.4